# Altium PCB Ixora.PcbDoc (part 7 of 13) (continued)
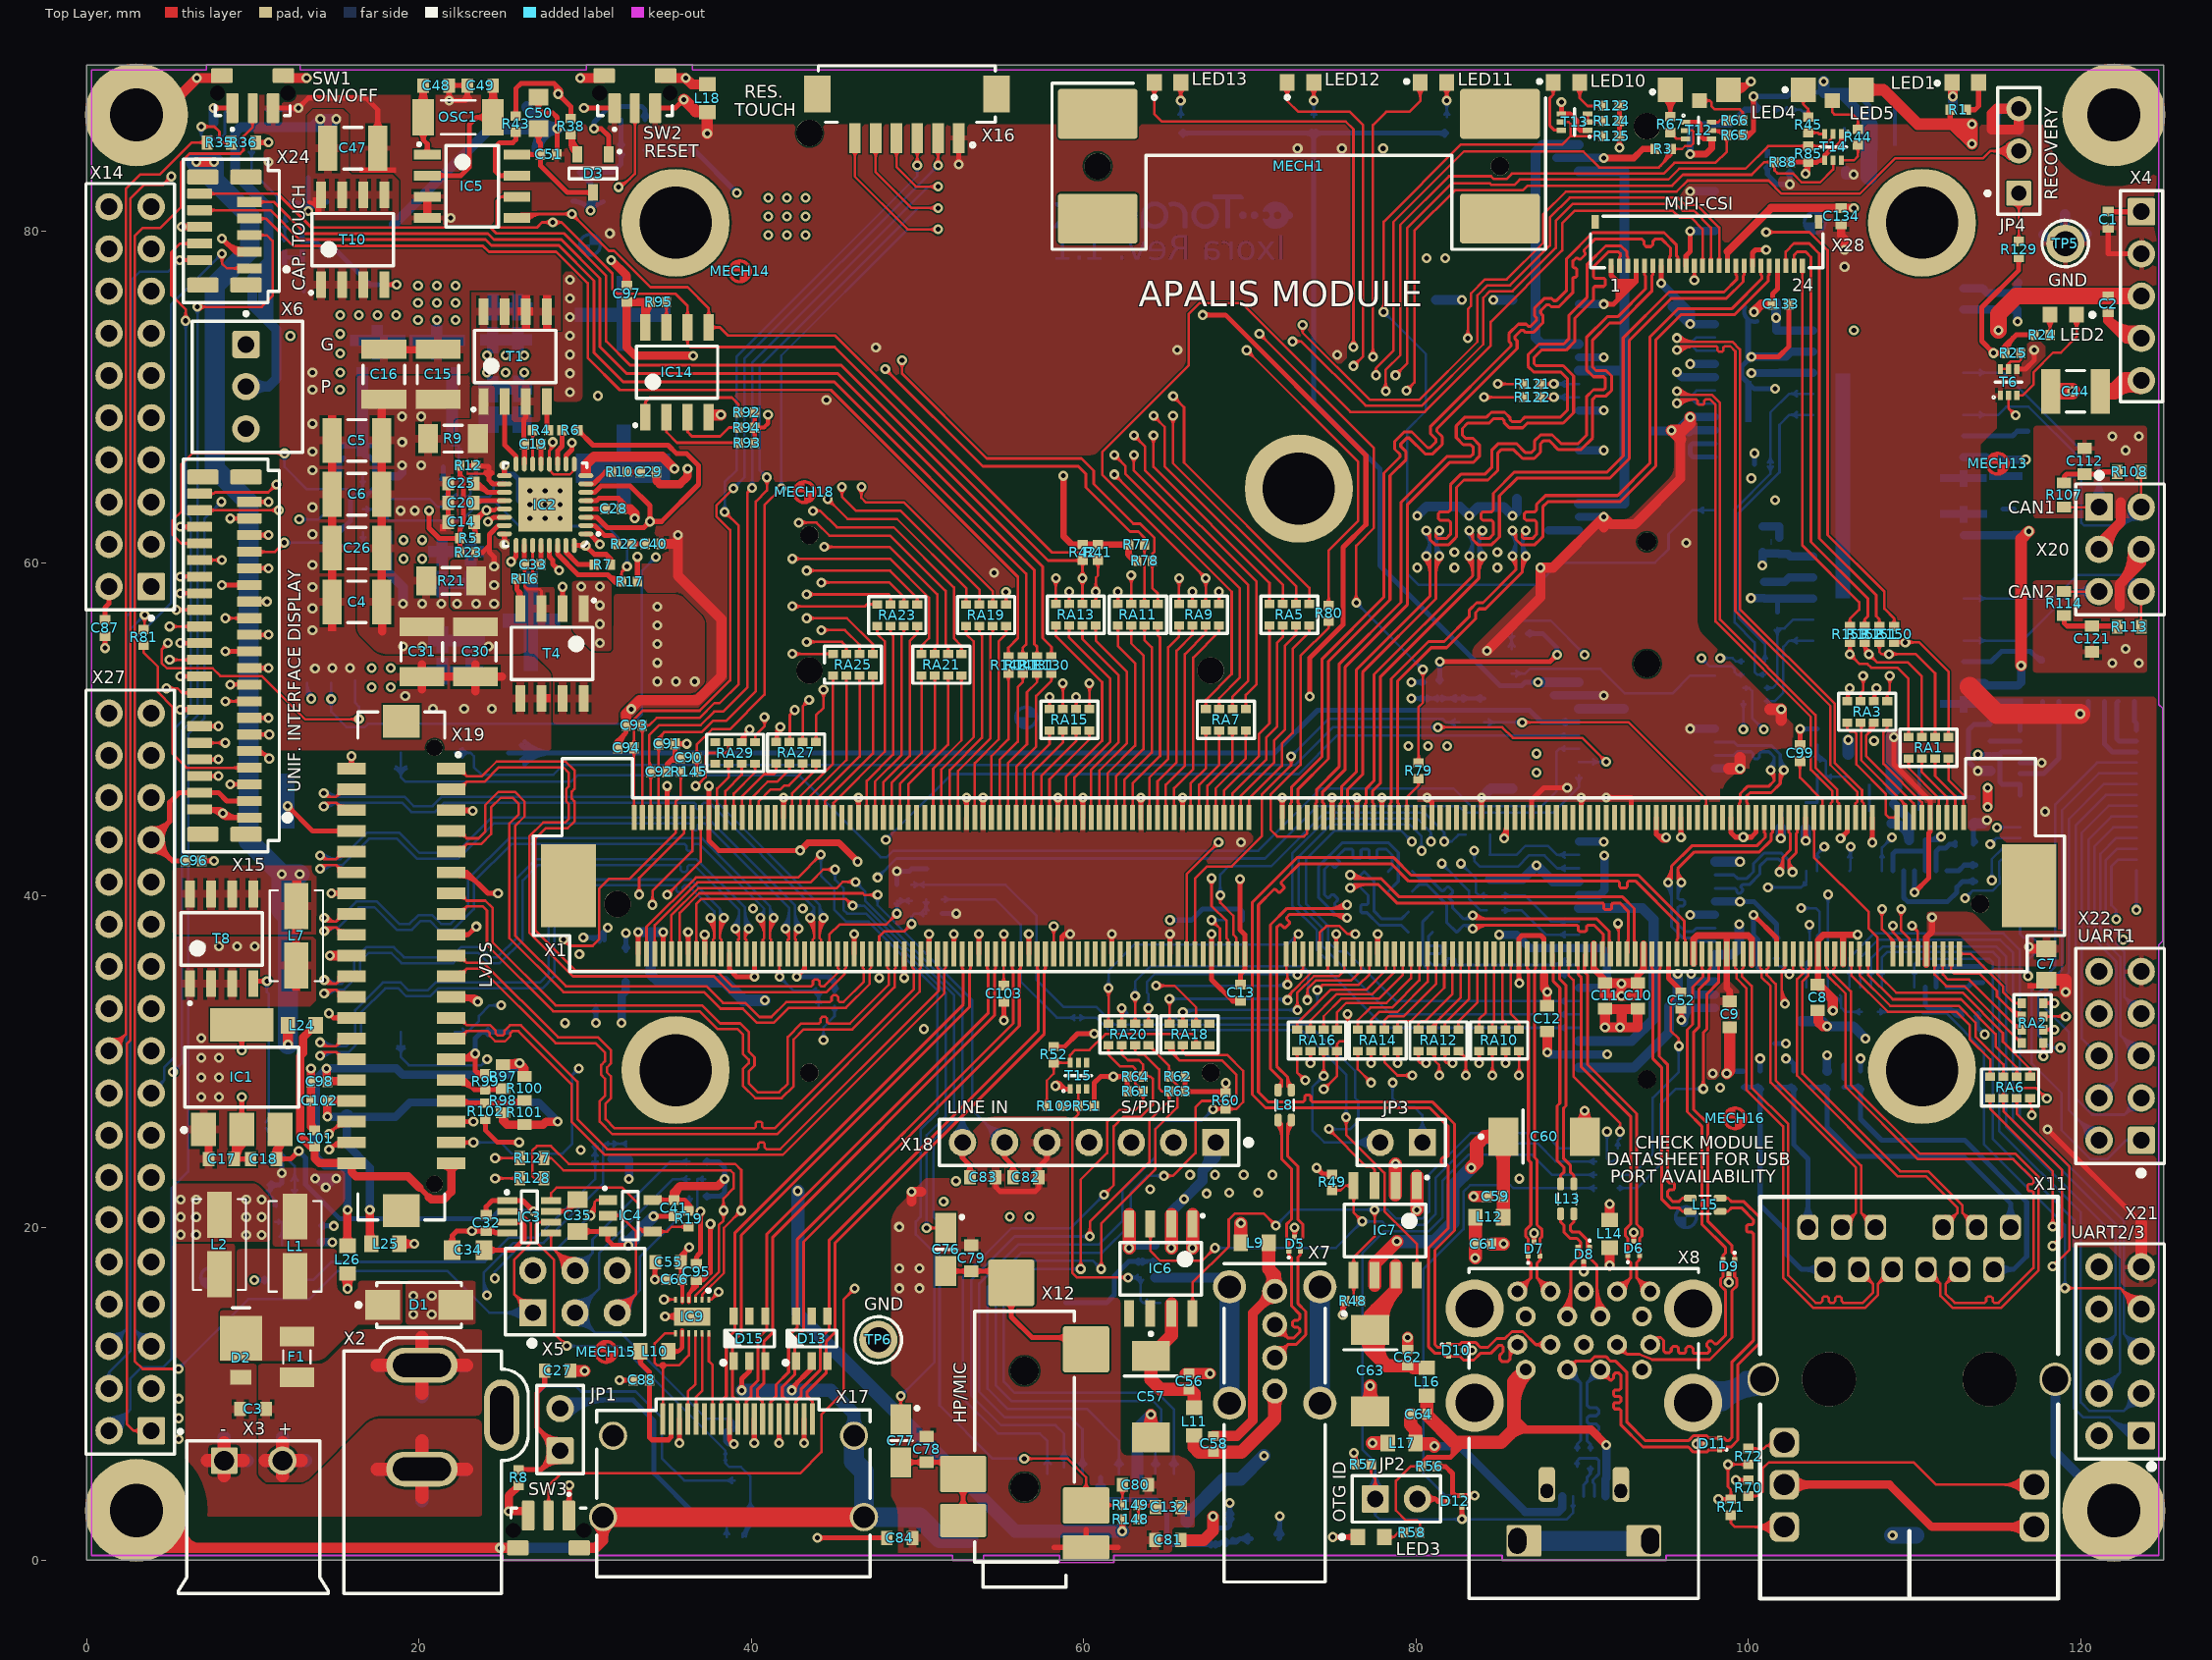
[diagram p0: Top Layer view]
## Nets (pads, with @x,y where several pads share a name; then routed paths per layer and width w, separated by ;. In a path a pad name is that pad's centre, name@x,y a point inside that pad or via, vN(x,y) a via of type N, cw(c..) or ccw(c..) an arc to the next point about the centre after c; other vN are vias at no path point) (continued)
LVDS1_B_CLK_N: X1.276 X19.4 | length 46.6
  Top Layer w0.15: v1(14.279,46.175) 14.504,45.95 ; v1@14.353,46.179 ccw(c14.597,46.194) 14.597,45.95 ; v1@14.376,45.972 cw(c14.424,45.87) 14.504,45.95 ; v1@14.482,46.078 ccw(c14.583,46.03) 14.504,45.95 ; v1@14.503,46.188 ccw(c14.756,46.203) 14.756,45.95 ; X19.4@15.176,46.379 cw(c14.631,46.336) 15.017,45.95 ; X19.4@15.447,46.125 ccw(c15.44,45.527) 15.017,45.95 ; X19.4@15.95,46.4 15.467,46.4 15.017,45.95 ; 44.125,37.589 cw(c45.436,37.589) v1@44.509,38.516 ; 44.125,37.951 cw(c45.074,37.951) v1@44.403,38.622 ; 44.125,38.313 cw(c44.712,38.313) v1@44.297,38.728 ; v1@44.147,38.578 cw(c44.045,38.53) 44.125,38.45 ; X1.276@44.2,36.5 44.2,37.361 44.125,37.436 44.125,38.45 ; v1@44.253,38.472 ccw(c44.205,38.37) 44.125,38.45 ; v1(44.35,38.675) 44.125,38.45 ; 14.504,45.95 15.017,45.95
  Bottom Layer w0.15: v1@14.226,46.122 ccw(c14.641,46.537) 14.641,45.95 ; v1(14.279,46.175) 14.504,45.95 19.125,45.95 19.682,45.393 20.831,45.393 21.388,45.95 36.57,45.95 37.615,45.95 44.125,39.44 ; v1@14.332,46.228 ccw(c15.003,46.899) 15.003,45.95 ; v1@14.438,46.334 ccw(c15.365,47.261) 15.365,45.95 ; 44.125,38.93 ccw(c44.492,38.93) v1@44.314,38.609 ; 44.125,39.185 ccw(c44.633,39.185) v1@44.386,38.741 ; v1(44.35,38.675) 44.125,38.9 44.125,39.44 ; v1@44.459,38.872 cw(c44.775,39.44) 44.125,39.44
LVDS1_B_CLK_P: X1.278 X19.6 | length 46.3
  Top Layer w0.15: v1(14.279,45.375) 14.504,45.6 ; v1@14.353,45.371 cw(c14.597,45.356) 14.597,45.6 ; v1@14.376,45.578 ccw(c14.424,45.68) 14.504,45.6 ; v1@14.482,45.472 cw(c14.583,45.52) 14.504,45.6 ; v1@14.503,45.362 cw(c14.756,45.347) 14.756,45.6 ; X19.6@15.176,45.171 ccw(c14.631,45.214) 15.017,45.6 ; X19.6@15.447,45.425 cw(c15.44,46.023) 15.017,45.6 ; X19.6@15.95,45.15 15.467,45.15 15.017,45.6 ; v1@43.391,38.516 cw(c42.464,37.589) 43.775,37.589 ; v1@43.497,38.622 cw(c42.826,37.951) 43.775,37.951 ; v1(43.55,38.675) 43.775,38.45 ; v1@43.603,38.728 cw(c43.188,38.313) 43.775,38.313 ; v1@43.647,38.472 cw(c43.695,38.37) 43.775,38.45 ; X1.278@43.7,36.5 43.7,37.361 43.775,37.436 43.775,38.45 ; v1@43.753,38.578 ccw(c43.855,38.53) 43.775,38.45 ; 14.504,45.6 15.017,45.6
  Bottom Layer w0.15: v1@14.226,45.428 cw(c14.641,45.013) 14.641,45.6 ; v1(14.279,45.375) 14.504,45.6 18.98,45.6 19.537,45.043 20.976,45.043 21.533,45.6 36.57,45.6 36.667,45.503 36.667,45.293 36.765,45.196 36.96,45.196 37.057,45.293 37.057,45.503 37.155,45.6 37.47,45.6 43.775,39.295 ; v1@14.332,45.322 cw(c15.003,44.651) 15.003,45.6 ; v1@14.438,45.216 cw(c15.365,44.289) 15.365,45.6 ; v1@43.48,38.889 ccw(c43.348,39.295) 43.775,39.295 ; v1@43.527,38.746 ccw(c43.415,39.088) 43.775,39.088 ; v1(43.55,38.675) 43.775,38.9 43.775,39.295 ; v1@43.573,38.604 ccw(c43.483,38.882) 43.775,38.882
LVDS1_B_TX0_N: X1.282 X19.10 | length 46.3
  Top Layer w0.15: v1(14.05,42.425) 14.275,42.2 ; v1@14.125,42.429 ccw(c14.368,42.444) 14.368,42.2 ; v1@14.147,42.222 cw(c14.195,42.12) 14.275,42.2 ; v1@14.253,42.328 ccw(c14.355,42.28) 14.275,42.2 ; v1@14.275,42.438 ccw(c14.527,42.453) 14.527,42.2 ; X19.10@15.176,42.629 cw(c14.631,42.586) 15.017,42.2 ; X19.10@15.447,42.375 ccw(c15.44,41.777) 15.017,42.2 ; X19.10@15.95,42.65 15.467,42.65 15.017,42.2 ; 42.625,37.394 cw(c43.06,37.394) v1@42.922,37.807 ; 42.625,37.603 cw(c42.99,37.603) v1@42.874,37.949 ; 42.625,37.811 cw(c42.92,37.811) v1@42.826,38.091 ; v1@42.647,37.923 cw(c42.545,37.875) 42.625,37.795 ; X1.282@42.7,36.5 42.7,37.361 42.625,37.436 42.625,37.795 ; v1@42.753,37.817 ccw(c42.705,37.715) 42.625,37.795 ; v1(42.85,38.02) 42.625,37.795 ; 14.275,42.2 15.017,42.2
  Bottom Layer w0.15: v1@13.997,42.372 ccw(c14.412,42.787) 14.412,42.2 ; v1(14.05,42.425) 14.275,42.2 15.276,42.2 16.857,43.781 18.83,43.781 20.032,42.579 22.234,42.579 24.355,44.7 36.305,44.7 37.35,44.7 42.625,39.425 42.625,38.245 v1(42.85,38.02) ; v1@14.103,42.478 ccw(c14.774,43.149) 14.774,42.2 ; v1@14.209,42.584 ccw(c15.136,43.511) 15.136,42.2 ; 42.625,38.382 ccw(c43.212,38.382) v1@42.797,37.967 ; 42.625,38.744 ccw(c43.574,38.744) v1@42.903,38.073 ; 42.625,39.106 ccw(c43.936,39.106) v1@43.009,38.179
LVDS1_B_TX0_P: X1.284 X19.12 | length 46.3
  Top Layer w0.15: v1(14.05,41.625) 14.275,41.85 ; v1@14.125,41.621 cw(c14.368,41.606) 14.368,41.85 ; v1@14.147,41.828 ccw(c14.195,41.93) 14.275,41.85 ; v1@14.253,41.722 cw(c14.355,41.77) 14.275,41.85 ; v1@14.275,41.612 cw(c14.527,41.597) 14.527,41.85 ; X19.12@15.176,41.421 ccw(c14.631,41.464) 15.017,41.85 ; X19.12@15.447,41.675 cw(c15.44,42.273) 15.017,41.85 ; X19.12@15.95,41.4 15.467,41.4 15.017,41.85 ; v1@41.978,37.807 cw(c41.84,37.394) 42.275,37.394 ; v1@42.026,37.949 cw(c41.91,37.603) 42.275,37.603 ; v1(42.05,38.02) 42.275,37.795 ; v1@42.074,38.091 cw(c41.98,37.811) 42.275,37.811 ; v1@42.147,37.817 cw(c42.195,37.715) 42.275,37.795 ; X1.284@42.2,36.5 42.2,37.361 42.275,37.436 42.275,37.795 ; v1@42.253,37.923 ccw(c42.355,37.875) 42.275,37.795 ; 14.275,41.85 15.017,41.85
  Bottom Layer w0.15: v1@13.997,41.678 cw(c14.412,41.263) 14.412,41.85 ; v1(14.05,41.625) 14.275,41.85 15.421,41.85 17.002,43.431 18.685,43.431 19.887,42.229 22.379,42.229 24.5,44.35 36.305,44.35 36.402,44.252 36.402,44.043 36.5,43.946 36.695,43.946 36.792,44.043 36.792,44.252 36.89,44.35 37.205,44.35 42.275,39.28 42.275,38.245 v1(42.05,38.02) ; v1@14.103,41.572 cw(c14.774,40.901) 14.774,41.85 ; v1@14.209,41.466 cw(c15.136,40.539) 15.136,41.85 ; v1@41.891,38.179 ccw(c40.964,39.106) 42.275,39.106 ; v1@41.997,38.073 ccw(c41.326,38.744) 42.275,38.744 ; v1@42.103,37.967 ccw(c41.688,38.382) 42.275,38.382
LVDS1_B_TX1_N: X1.288 X19.16 | length 46.5
  Top Layer w0.15: v1@14.236,38.643 ccw(c14.542,38.788) 14.542,38.45 ; v1(14.304,38.675) 14.529,38.45 ; v1@14.372,38.707 ccw(c14.78,38.902) 14.78,38.45 ; v1@14.401,38.472 cw(c14.449,38.37) 14.529,38.45 ; v1@14.507,38.578 ccw(c14.609,38.53) 14.529,38.45 ; v1@14.507,38.772 ccw(c15.017,39.015) 15.017,38.45 ; X19.16@15.176,38.879 cw(c14.631,38.836) 15.017,38.45 ; X19.16@15.447,38.625 ccw(c15.44,38.027) 15.017,38.45 ; X19.16@15.95,38.9 15.467,38.9 15.017,38.45 ; 41.125,37.589 cw(c42.436,37.589) v1@41.509,38.516 ; 41.125,37.951 cw(c42.074,37.951) v1@41.403,38.622 ; 41.125,38.313 cw(c41.712,38.313) v1@41.297,38.728 ; v1@41.147,38.578 cw(c41.045,38.53) 41.125,38.45 ; X1.288@41.2,36.5 41.2,37.361 41.125,37.436 41.125,38.45 ; v1@41.253,38.472 ccw(c41.205,38.37) 41.125,38.45 ; v1(41.35,38.675) 41.125,38.45 ; 14.529,38.45 15.017,38.45
  Bottom Layer w0.15: v1@14.237,38.642 ccw(c14.546,38.796) 14.546,38.45 ; v1(14.304,38.675) 14.529,38.45 15.031,38.45 ; v1@14.371,38.708 ccw(c14.789,38.917) 14.789,38.45 ; v1@14.505,38.775 ccw(c15.031,39.038) 15.031,38.45 ; 41.125,38.907 ccw(c41.454,38.907) v1@41.319,38.607 ; 41.125,39.138 ccw(c41.558,39.138) v1@41.381,38.743 ; v1(41.35,38.675) 41.125,38.9 41.125,39.37 ; v1@41.442,38.88 cw(c41.662,39.37) 41.125,39.37 ; 15.031,38.45 16.231,39.649 17.475,39.649 18.821,38.303 19.444,38.303 19.967,38.826 20.813,38.826 21.336,38.303 21.923,38.303 22.96,39.34 22.96,40.989 25.425,43.454 35.996,43.454 37.041,43.454 41.125,39.37
LVDS1_B_TX1_P: X1.290 X19.18 | length 46.2
  Top Layer w0.15: v1@14.236,37.907 cw(c14.542,37.762) 14.542,38.1 ; v1(14.304,37.875) 14.529,38.1 ; v1@14.372,37.843 cw(c14.78,37.648) 14.78,38.1 ; v1@14.401,38.078 ccw(c14.449,38.18) 14.529,38.1 ; v1@14.507,37.778 cw(c15.017,37.535) 15.017,38.1 ; v1@14.507,37.972 cw(c14.609,38.02) 14.529,38.1 ; X19.18@15.176,37.671 ccw(c14.631,37.714) 15.017,38.1 ; X19.18@15.447,37.925 cw(c15.44,38.523) 15.017,38.1 ; X19.18@15.95,37.65 15.467,37.65 15.017,38.1 ; v1@40.391,38.516 cw(c39.464,37.589) 40.775,37.589 ; v1@40.497,38.622 cw(c39.826,37.951) 40.775,37.951 ; v1(40.55,38.675) 40.775,38.45 ; v1@40.603,38.728 cw(c40.188,38.313) 40.775,38.313 ; v1@40.647,38.472 cw(c40.695,38.37) 40.775,38.45 ; X1.290@40.7,36.5 40.7,37.361 40.775,37.436 40.775,38.45 ; v1@40.753,38.578 ccw(c40.855,38.53) 40.775,38.45 ; 14.529,38.1 15.017,38.1
  Bottom Layer w0.15: v1@14.243,37.918 cw(c14.595,37.668) 14.595,38.1 ; v1(14.304,37.875) 14.529,38.1 15.176,38.1 ; v1@14.365,37.832 cw(c14.885,37.462) 14.885,38.1 ; v1@14.487,37.745 cw(c15.176,37.255) 15.176,38.1 ; v1@40.505,38.896 ccw(c40.439,39.225) 40.775,39.225 ; v1@40.535,38.749 ccw(c40.476,39.042) 40.775,39.042 ; v1(40.55,38.675) 40.775,38.9 40.775,39.225 ; 15.176,38.1 16.376,39.299 17.33,39.299 18.676,37.953 19.589,37.953 20.112,38.476 20.668,38.476 21.191,37.953 22.068,37.953 23.31,39.195 23.31,40.844 25.57,43.104 35.996,43.104 36.094,43.006 36.094,42.797 36.191,42.7 36.386,42.7 36.484,42.797 36.484,43.006 36.581,43.104 36.896,43.104 40.775,39.225
LVDS1_B_TX2_N: X1.294 X19.22 | length 47
  Top Layer w0.15: v1@14.236,34.893 ccw(c14.542,35.038) 14.542,34.7 ; v1(14.304,34.925) 14.529,34.7 ; v1@14.372,34.957 ccw(c14.78,35.152) 14.78,34.7 ; v1@14.401,34.722 cw(c14.449,34.62) 14.529,34.7 ; v1@14.507,34.828 ccw(c14.609,34.78) 14.529,34.7 ; v1@14.507,35.022 ccw(c15.017,35.265) 15.017,34.7 ; X19.22@15.176,35.129 cw(c14.631,35.086) 15.017,34.7 ; X19.22@15.447,34.875 ccw(c15.44,34.277) 15.017,34.7 ; X19.22@15.95,35.15 15.467,35.15 15.017,34.7 ; 39.625,37.394 cw(c40.06,37.394) v1@39.922,37.807 ; 39.625,37.603 cw(c39.99,37.603) v1@39.874,37.949 ; 39.625,37.811 cw(c39.92,37.811) v1@39.826,38.091 ; v1@39.647,37.923 cw(c39.545,37.875) 39.625,37.795 ; X1.294@39.7,36.5 39.7,37.361 39.625,37.436 39.625,37.795 ; v1@39.753,37.817 ccw(c39.705,37.715) 39.625,37.795 ; v1(39.85,38.02) 39.625,37.795 ; 14.529,34.7 15.017,34.7
  Bottom Layer w0.15: v1@14.25,34.873 ccw(c14.658,35.267) 14.658,34.7 ; v1(14.304,34.925) 14.529,34.7 15.365,34.7 ; v1@14.358,34.977 ccw(c15.011,35.609) 15.011,34.7 ; v1@14.466,35.081 ccw(c15.365,35.951) 15.365,34.7 ; 39.625,38.382 ccw(c40.212,38.382) v1@39.797,37.967 ; 39.625,38.744 ccw(c40.574,38.744) v1@39.903,38.073 ; 39.625,39.106 ccw(c40.936,39.106) v1@40.009,38.179 ; v1(39.85,38.02) 39.625,38.245 39.625,39.275 36.71,42.19 27.015,42.19 25.893,41.068 25.893,37.463 24.72,36.29 24.329,36.29 23.711,36.908 22.545,36.908 21.927,36.29 19.105,36.29 18.49,36.905 16.835,36.905 16.105,36.175 16.105,35.44 15.365,34.7
LVDS1_B_TX2_P: X1.296 X19.24 | length 47.1
  Top Layer w0.15: v1@14.236,34.157 cw(c14.542,34.012) 14.542,34.35 ; v1(14.304,34.125) 14.529,34.35 ; v1@14.372,34.093 cw(c14.78,33.898) 14.78,34.35 ; v1@14.401,34.328 ccw(c14.449,34.43) 14.529,34.35 ; v1@14.507,34.028 cw(c15.017,33.785) 15.017,34.35 ; v1@14.507,34.222 cw(c14.609,34.27) 14.529,34.35 ; X19.24@15.176,33.921 ccw(c14.631,33.964) 15.017,34.35 ; X19.24@15.447,34.175 cw(c15.44,34.773) 15.017,34.35 ; X19.24@15.95,33.9 15.467,33.9 15.017,34.35 ; v1@38.978,37.807 cw(c38.84,37.394) 39.275,37.394 ; v1@39.026,37.949 cw(c38.91,37.603) 39.275,37.603 ; v1(39.05,38.02) 39.275,37.795 ; v1@39.074,38.091 cw(c38.98,37.811) 39.275,37.811 ; v1@39.147,37.817 cw(c39.195,37.715) 39.275,37.795 ; X1.296@39.2,36.5 39.2,37.361 39.275,37.436 39.275,37.795 ; v1@39.253,37.923 ccw(c39.355,37.875) 39.275,37.795 ; 14.529,34.35 15.017,34.35
  Bottom Layer w0.15: v1@14.251,34.178 cw(c14.666,33.763) 14.666,34.35 ; v1(14.304,34.125) 14.529,34.35 15.51,34.35 16.455,35.295 16.455,36.03 16.98,36.555 18.345,36.555 18.96,35.94 22.071,35.94 22.69,36.558 23.566,36.558 24.184,35.94 24.865,35.94 26.243,37.318 26.243,40.923 27.16,41.84 35.665,41.84 35.763,41.742 35.763,41.533 35.86,41.436 36.055,41.436 36.153,41.533 36.153,41.742 36.25,41.84 36.565,41.84 39.275,39.13 39.275,38.245 v1(39.05,38.02) ; v1@14.357,34.072 cw(c15.028,33.401) 15.028,34.35 ; v1@14.463,33.966 cw(c15.39,33.039) 15.39,34.35 ; v1@38.891,38.179 ccw(c37.964,39.106) 39.275,39.106 ; v1@38.997,38.073 ccw(c38.326,38.744) 39.275,38.744 ; v1@39.103,37.967 ccw(c38.688,38.382) 39.275,38.382
LVDS1_B_TX3_N: X1.300 X19.28 | length 45.8
  Top Layer w0.15: v1(14.05,31.175) 14.275,30.95 ; v1@14.125,31.179 ccw(c14.368,31.194) 14.368,30.95 ; v1@14.147,30.972 cw(c14.195,30.87) 14.275,30.95 ; v1@14.253,31.078 ccw(c14.355,31.03) 14.275,30.95 ; v1@14.275,31.188 ccw(c14.527,31.203) 14.527,30.95 ; X19.28@15.176,31.379 cw(c14.631,31.336) 15.017,30.95 ; X19.28@15.447,31.125 ccw(c15.44,30.527) 15.017,30.95 ; X19.28@15.95,31.4 15.467,31.4 15.017,30.95 ; 38.125,37.589 cw(c39.436,37.589) v1@38.509,38.516 ; 38.125,37.951 cw(c39.074,37.951) v1@38.403,38.622 ; 38.125,38.313 cw(c38.712,38.313) v1@38.297,38.728 ; v1@38.147,38.578 cw(c38.045,38.53) 38.125,38.45 ; X1.300@38.2,36.5 38.2,37.361 38.125,37.436 38.125,38.45 ; v1@38.253,38.472 ccw(c38.205,38.37) 38.125,38.45 ; v1(38.35,38.675) 38.125,38.45 ; 14.275,30.95 15.017,30.95
  Bottom Layer w0.15: v1@13.997,31.122 ccw(c14.412,31.537) 14.412,30.95 ; v1(14.05,31.175) 14.275,30.95 15.645,30.95 16.17,31.475 16.17,33.112 17.828,34.77 18.916,34.77 19.386,34.3 20.533,34.3 21.003,34.77 27.29,34.77 27.807,35.287 27.807,39.907 28.87,40.97 35.391,40.97 36.36,40.97 38.125,39.205 ; v1@14.103,31.228 ccw(c14.774,31.899) 14.774,30.95 ; v1@14.209,31.334 ccw(c15.136,32.261) 15.136,30.95 ; 38.125,39.028 ccw(c38.408,39.028) v1@38.362,38.749 ; v1(38.35,38.675) 38.125,38.9 38.125,39.205 ; v1@38.387,38.897 cw(c38.437,39.205) 38.125,39.205
LVDS1_B_TX3_P: X1.302 X19.30 | length 44.9
  Top Layer w0.15: v1(14.05,30.375) 14.275,30.6 ; v1@14.125,30.371 cw(c14.368,30.356) 14.368,30.6 ; v1@14.147,30.578 ccw(c14.195,30.68) 14.275,30.6 ; v1@14.253,30.472 cw(c14.355,30.52) 14.275,30.6 ; v1@14.275,30.362 cw(c14.527,30.347) 14.527,30.6 ; X19.30@15.176,30.171 ccw(c14.631,30.214) 15.017,30.6 ; X19.30@15.447,30.425 cw(c15.44,31.023) 15.017,30.6 ; X19.30@15.95,30.15 15.467,30.15 15.017,30.6 ; v1@37.391,38.516 cw(c36.464,37.589) 37.775,37.589 ; v1@37.497,38.622 cw(c36.826,37.951) 37.775,37.951 ; v1(37.55,38.675) 37.775,38.45 ; v1@37.603,38.728 cw(c37.188,38.313) 37.775,38.313 ; v1@37.647,38.472 cw(c37.695,38.37) 37.775,38.45 ; X1.302@37.7,36.5 37.7,37.361 37.775,37.436 37.775,38.45 ; v1@37.753,38.578 ccw(c37.855,38.53) 37.775,38.45 ; 14.275,30.6 15.017,30.6
  Bottom Layer w0.15: v1@13.997,30.428 cw(c14.412,30.013) 14.412,30.6 ; v1(14.05,30.375) 14.275,30.6 15.79,30.6 16.52,31.33 16.52,32.967 17.973,34.42 18.771,34.42 19.241,33.95 20.678,33.95 21.148,34.42 27.435,34.42 28.157,35.142 28.157,39.762 29.015,40.62 35.391,40.62 35.488,40.522 35.488,40.313 35.586,40.216 35.781,40.216 35.878,40.313 35.878,40.522 35.976,40.62 36.215,40.62 37.775,39.06 37.775,38.9 v1(37.55,38.675) ; v1@14.103,30.322 cw(c14.774,29.651) 14.774,30.6 ; v1@14.209,30.216 cw(c15.136,29.289) 15.136,30.6
LVDS1_I2C2_SCL: R128.2 X19.38 | length 21.6
  Top Layer w0.15: v1@14.6,24.943 ccw(c14.6,25.486) 14.984,25.102 ccw(c15.368,24.718) v1@14.825,24.718 ; v1@14.768,24.887 cw(c15.204,24.451) X19.38@15.408,25.032 ; X19.38@15.359,24.891 ccw(c15.116,24.202) v1(14.6,24.718) 15.031,25.15 ; X19.38@15.95,25.15 15.031,25.15 ; v1(24.587,22.986) R128.2@26.072,22.986 ; v1@24.746,22.826 cw(c25.13,22.442) 25.13,22.986 cw(c25.13,23.529) v1@24.746,23.145 ; R128.2@25.895,22.809 ccw(c25.468,22.382) 25.468,22.986 ccw(c25.468,23.589) R128.2@25.895,23.162 ; 15.031,25.15 ccw(c15.031,25.331) 15.198,25.259 cw(c15.031,25.331) 15.031,25.15 ; 15.031,25.15 cw(c15.031,24.969) 15.198,25.041 ccw(c15.031,24.969) 15.031,25.15 ; 14.936,25.055 cw(c15.291,24.7) 15.458,25.174 ccw(c15.291,24.7) 14.936,25.055
  Mid-Layer 1 w0.15: v1(14.6,24.718) 20.694,24.718 22.427,22.986 v1(24.587,22.986) ; v1@14.759,24.559 cw(c15.143,24.175) 15.143,24.718 cw(c15.143,25.261) v1@14.759,24.877 ; v1@24.428,22.826 ccw(c24.044,22.442) 24.044,22.986 ccw(c24.044,23.529) v1@24.428,23.145
LVDS1_I2C2_SDA: R127.2 X19.36 | length 20.2
  Top Layer w0.15: v1(24.589,24.205) R127.2@26.072,24.205 ; v1@24.748,24.046 cw(c25.132,23.662) 25.132,24.205 cw(c25.132,24.748) v1@24.748,24.364 ; R127.2@25.895,24.028 ccw(c25.468,23.601) 25.468,24.205 ccw(c25.468,24.808) R127.2@25.895,24.382
  Top Layer w0.165: v1(14.58,25.654) 15.326,26.4 X19.36@15.95,26.4 ; v1@14.58,25.872 ccw(c14.58,26.397) 14.951,26.025 ccw(c15.322,25.654) v1@14.797,25.654 ; v1@14.781,25.855 cw(c15.45,25.186) X19.36@15.45,26.133 ; 15.063,26.137 cw(c15.45,25.75) 15.45,26.298 ccw(c15.45,25.75) 15.063,26.137 ; 15.081,26.156 ccw(c14.837,26.4) 15.182,26.4 cw(c14.837,26.4) 15.081,26.156
  Mid-Layer 1 w0.165: v1(14.58,25.654) 21.082,25.654 22.531,24.205 v1(24.589,24.205) ; v1@14.733,25.5 cw(c15.105,25.129) 15.105,25.654 cw(c15.105,26.179) v1@14.733,25.808 ; v1@24.435,24.051 ccw(c24.064,23.68) 24.064,24.205 ccw(c24.064,24.73) v1@24.435,24.359
LVDS1_SEL_1: R97.2 R98.2 R99.2 X19.31 | length 6.3
  Top Layer w0.3: X19.31@21.95,28.9 22.77,28.9 23.35,28.32 R99.2@24,28.32 R97.2@25.15,28.32 ; X19.31@22.45,28.7 cw(c22.45,27.444) 23.338,28.332 ; X19.31@22.45,29 cw(c22.45,28.469) 22.826,28.844 ; R99.2@23.879,28.225 ccw(c23.649,27.994) 23.649,28.32 ccw(c23.649,28.646) R99.2@23.879,28.416 ; R99.2@24.12,28.225 cw(c24.351,27.994) 24.351,28.32 cw(c24.351,28.646) R99.2@24.12,28.416 ; 24.395,28.32 ccw(c24.395,28.93) R97.2@24.826,28.499
LVDS1_SEL_2: R100.2 R101.2 R102.2 X19.33 | length 6.5
  Top Layer w0.3: X19.33@21.977,27.527 R100.2@26.377,27.527 ; X19.33@22.591,27.791 ccw(c23.23,28.43) 23.23,27.527 ; 23.594,27.527 cw(c23.594,27.124) R102.2@23.879,27.409 ; R102.2@24.12,27.409 cw(c24.406,27.124) 24.406,27.527 ; 25.47,27.527 ccw(c25.47,28.455) R100.2@26.126,27.799
LVDS1_V_SUPPLY_SW_UNREG: C101.2 L24.2 X19.39 X19.40 | length 22.8
  Top Layer w0.254: X19.39@21.26,23.698 cw(c21.313,23.061) 21.95,23.114 cw(c22.557,23.091) X19.39@22.581,23.698
  Top Layer w0.32: 20.041,22.428 20.612,21.857
  Top Layer w0.5: 13.3,25.105 ccw(c13.691,25.496) C101.2@13.691,24.943 ; L24.2@13.794,32.194 13.754,32.194 13.027,31.467 13.027,30.527 12.86,30.36 12.86,25.545 13.502,24.903 C101.2@13.731,24.903 13.731,24.191 14.022,23.9 X19.40@15.95,23.9 15.95,23.369 16.204,23.115 19.354,23.115 20.041,22.428 ; 20.612,21.857 20.752,21.717 21.488,21.717 21.95,22.179 X19.39@21.95,23.9
MMC1_CD#: R52.1 R109.1 RA18.6 T15.6 | length 16.5
  Top Layer w0.15: R109.1@57.639,27.508 ccw(c57.281,27.867) 57.788,27.867 ccw(c58.295,27.867) R109.1@57.936,27.508 ; R109.1@57.788,27.335 57.788,28.874 58.2,29.286 R52.1@58.2,29.949 T15.6@59.183,29.949 59.183,30.405 59.487,30.709 60.347,30.709 61.312,31.674 66.574,31.674 66.77,31.478 RA18.6@66.77,31.002 ; R52.1@58.051,29.8 cw(c57.693,29.442) 58.2,29.442 cw(c58.707,29.442) R52.1@58.348,29.8 ; R52.1@58.373,29.8 cw(c58.732,29.442) 58.732,29.949 cw(c58.732,30.456) R52.1@58.373,30.097 ; T15.6@59.13,29.896 ccw(c59.002,29.768) 59.002,29.949 ccw(c59.002,30.13) T15.6@59.13,30.002 ; T15.6@59.13,30.137 ccw(c59.002,30.265) 59.183,30.265 ccw(c59.364,30.265) T15.6@59.236,30.137 ; RA18.6@66.646,31.126 ccw(c66.347,31.424) 66.77,31.424 ccw(c67.192,31.424) RA18.6@66.894,31.126
MMC1_CLK: RA18.8 X10.5 | length 52.2
  Top Layer w0.15: v1(64.835,23.139) 65.357,23.139 ; v1@64.999,22.985 cw(c65.357,22.649) 65.357,23.139 ; v1@64.999,23.294 ccw(c65.357,23.63) 65.357,23.139 ; RA18.8@65.079,30.853 cw(c64.979,30.69) 65.17,30.69 ; RA18.8@65.095,31.002 ccw(c65.668,31.002) 65.263,30.597 ; RA18.8@65.17,31.002 65.17,30.69 ; RA18.8@65.245,31.002 ccw(c66.18,31.002) 65.519,30.341 ; RA18.8@65.261,30.853 ccw(c65.361,30.69) 65.17,30.69 ; RA18.8@65.395,31.002 ccw(c66.692,31.002) 65.775,30.085 ; 65.17,30.69 65.785,30.075 68.347,30.075 69.2,29.222 69.2,27.853 68.995,27.648 67.119,27.648 66.726,27.254 66.726,24.509 65.357,23.139
  Bottom Layer w0.15: X10.5@61.9,5.78 ccw(c61.345,6.335) 62.13,6.335 ccw(c62.915,6.335) X10.5@62.36,5.78 ; X10.5@62.006,5.674 ccw(c61.708,5.972) 62.13,5.972 ccw(c62.552,5.972) X10.5@62.254,5.674 ; X10.5@62.13,5.2 62.13,7.187 60.213,9.104 55.449,9.104 54.214,10.338 54.214,16.459 56.27,18.515 61.111,18.515 62.84,20.244 62.84,22.149 63.83,23.139 v1(64.835,23.139) ; v1@64.676,22.98 ccw(c64.292,22.596) 64.292,23.139 ccw(c64.292,23.683) v1@64.676,23.298
MMC1_CMD: R60.1 RA18.7 X10.3 | length 51.9
  Top Layer w0.15: RA18.7@65.851,30.874 cw(c65.598,30.601) 65.97,30.601 ; RA18.7@65.97,31.002 65.97,30.601 ; RA18.7@66.089,30.874 ccw(c66.342,30.601) 65.97,30.601 ; v1(67.793,27.148) 69.169,27.148 69.596,27.575 69.596,29.464 68.639,30.421 66.15,30.421 65.97,30.601 ; v1@67.952,26.989 cw(c68.336,26.605) 68.336,27.148 cw(c68.336,27.691) v1@67.952,27.307 ; v1@67.961,27.148 ccw(c67.961,27.742) R60.1@68.381,27.322 ; v1@67.973,27.282 ccw(c68.134,27.4) 68.185,27.208 ccw(c68.261,26.923) v1@67.995,27.05 ; v1@67.987,27.26 ccw(c68.235,27.403) 68.161,27.127 ; v1@67.994,27.047 cw(c68.129,26.979) 68.168,27.125 ; v1@68.084,27.148 cw(c68.084,26.728) R60.1@68.381,27.025 ; R60.1@68.728,27.025 cw(c69.025,26.728) 69.025,27.148 ; R60.1@68.728,27.322 ccw(c69.148,27.742) 69.148,27.148
  Bottom Layer w0.15: X10.3@59.7,5.78 ccw(c59.145,6.335) 59.93,6.335 ccw(c60.715,6.335) X10.3@60.16,5.78 ; X10.3@59.806,5.674 ccw(c59.508,5.972) 59.93,5.972 ccw(c60.352,5.972) X10.3@60.054,5.674 ; X10.3@59.93,5.2 59.93,7.888 59.204,8.614 55.246,8.614 53.724,10.135 53.724,16.662 56.068,19.005 60.908,19.005 62.35,20.447 62.35,22.294 64.313,24.257 64.313,25.959 64.795,26.441 67.086,26.441 v1(67.793,27.148) ; v1@67.568,27.148 cw(c67.024,27.148) 67.408,26.764 cw(c67.793,26.38) v1@67.793,26.923
MMC1_D0: R62.1 RA20.5 X10.7 | length 49.5
  Top Layer w0.15: v1@60.903,17.694 ccw(c60.518,18.078) 61.062,18.078 ccw(c61.605,18.078) v1@61.221,17.694 ; v1(61.062,17.535) 61.062,20.269 64.327,23.535 64.327,25.948 65.639,27.26 65.639,28.602 65.154,29.087 R62.1@65.154,29.108 65.154,29.748 RA20.5@63.902,31 ; RA20.5@63.952,30.825 cw(c63.952,30.523) 64.165,30.737 ; RA20.5@64.127,31 ccw(c64.67,31) 64.286,30.616 ; R62.1@65.005,29.282 ccw(c64.647,29.64) 65.154,29.64 ccw(c65.661,29.64) R62.1@65.302,29.282 ; R62.1@65.154,28.873 cw(c65.154,28.357) 65.519,28.722 ; R62.1@65.364,29.083 ccw(c65.861,29.083) 65.509,28.732
  Bottom Layer w0.15: v1@60.837,17.535 ccw(c60.293,17.535) 60.677,17.919 ccw(c61.062,18.303) v1@61.062,17.76 ; v1(61.062,17.535) 60.572,18.025 56.473,18.025 54.704,16.256 54.704,10.541 55.652,9.594 64.168,9.594 64.668,9.093 64.668,8.382 64.33,8.044 X10.7@64.33,5.2 ; X10.7@64.1,5.78 ccw(c63.545,6.335) 64.33,6.335 ccw(c65.115,6.335) X10.7@64.56,5.78 ; X10.7@64.206,5.674 ccw(c63.908,5.972) 64.33,5.972 ccw(c64.752,5.972) X10.7@64.454,5.674
MMC1_D1: R61.1 RA20.8 X10.8 | length 48.1
  Top Layer w0.15: v1@59.667,17.694 ccw(c59.283,18.078) 59.826,18.078 ccw(c60.37,18.078) v1@59.985,17.694 ; v1(59.826,17.535) 59.826,22.92 61.413,24.507 61.413,26.367 62.148,27.102 63.119,27.102 63.577,27.56 R61.1@63.577,28.219 63.097,28.699 63.097,29.588 62.967,29.718 62.205,29.718 61.502,30.421 RA20.8@61.502,31 ; RA20.8@61.378,30.876 cw(c61.079,30.577) 61.502,30.577 cw(c61.924,30.577) RA20.8@61.625,30.876 ; 63.176,28.621 ccw(c63.577,29.022) R61.1@63.577,28.454 ; 63.236,28.56 cw(c62.92,28.244) R61.1@63.367,28.244 ; R61.1@63.428,28.046 cw(c63.07,27.687) 63.577,27.687 cw(c64.084,27.687) R61.1@63.725,28.046
  Bottom Layer w0.15: v1@59.667,17.376 ccw(c59.283,16.992) 59.283,17.535 ccw(c59.283,18.078) v1@59.667,17.694 ; v1(59.826,17.535) 56.676,17.535 55.194,16.053 55.194,10.744 55.855,10.084 64.44,10.084 65.43,9.094 X10.8@65.43,5.2 ; X10.8@65.2,5.78 ccw(c64.645,6.335) 65.43,6.335 ccw(c66.215,6.335) X10.8@65.66,5.78 ; X10.8@65.306,5.674 ccw(c65.008,5.972) 65.43,5.972 ccw(c65.852,5.972) X10.8@65.554,5.674
MMC1_D2: R64.1 RA20.7 X10.1 | length 42.9
  Top Layer w0.15: v1(61.227,21.996) 61.812,22.581 61.812,26.111 62.396,26.695 63.449,26.695 64.16,27.407 64.16,28.981 64.033,29.108 ; v1@61.227,22.221 ccw(c61.227,22.765) 61.611,22.38 ccw(c61.996,21.996) v1@61.452,21.996 ; RA20.7@62.178,30.876 cw(c61.879,30.577) 62.302,30.577 cw(c62.724,30.577) RA20.7@62.425,30.876 ; RA20.7@62.302,31 62.302,30.459 62.662,30.099 63.322,30.099 63.577,29.844 R64.1@63.577,29.108 64.033,29.108 ; R64.1@63.428,29.282 ccw(c63.07,29.64) 63.577,29.64 ccw(c64.084,29.64) R64.1@63.725,29.282 ; R64.1@63.736,28.972 cw(c64.033,28.717) 64.033,29.108 ; R64.1@63.736,29.245 ccw(c64.033,29.5) 64.033,29.108
  Bottom Layer w0.15: X10.1@57.641,5.814 ccw(c57.377,6.183) 57.83,6.183 ccw(c58.283,6.183) X10.1@58.019,5.814 ; X10.1@57.83,5.2 57.83,7.169 57.365,7.634 54.84,7.634 52.744,9.729 52.744,17.068 55.662,19.985 59.216,19.985 v1(61.227,21.996) v1@61.233,22.002 ; v1@61.002,21.996 cw(c60.459,21.996) 60.843,21.612 cw(c61.227,21.228) v1@61.227,21.771
MMC1_D3: R63.1 RA20.6 X10.2 | length 44.1
  Top Layer w0.15: v1@60.217,19.654 ccw(c59.833,20.038) 60.376,20.038 ccw(c60.919,20.038) v1@60.535,19.654 ; v1(60.376,19.495) 60.376,20.371 63.953,23.948 63.953,26.463 65.154,27.663 R63.1@65.154,28.219 64.725,28.219 ; RA20.6@62.989,30.866 cw(c62.786,30.624) 63.102,30.624 ; RA20.6@63.102,31 63.102,30.624 ; RA20.6@63.214,30.866 ccw(c63.417,30.624) 63.102,30.624 ; R63.1@64.988,28.091 ccw(c64.725,27.887) 64.725,28.219 ; R63.1@64.988,28.348 cw(c64.725,28.551) 64.725,28.219 ; R63.1@65.005,28.046 cw(c64.647,27.687) 65.154,27.687 cw(c65.661,27.687) R63.1@65.302,28.046 ; 63.102,30.624 63.276,30.45 63.63,30.45 64.541,29.539 64.541,28.403 64.725,28.219
  Bottom Layer w0.15: X10.2@58.6,6.18 ccw(c58.045,6.735) 58.83,6.735 ccw(c59.615,6.735) X10.2@59.06,6.18 ; X10.2@58.706,6.074 ccw(c58.408,6.372) 58.83,6.372 ccw(c59.252,6.372) X10.2@58.954,6.074 ; X10.2@58.83,5.6 58.83,7.606 58.312,8.124 55.043,8.124 53.234,9.932 53.234,16.865 55.865,19.495 v1(60.376,19.495) ; v1@60.217,19.336 ccw(c59.833,18.952) 59.833,19.495 ccw(c59.833,20.038) v1@60.217,19.654
MMC_CD1: R51.1 R104.2 R109.2 T15.2 X10.CD1 | length 27.2
  Top Layer w0.15: R109.2@58.748,27.335 R51.1@59.683,27.335 ; R109.2@58.896,27.187 cw(c59.255,26.828) 59.255,27.335 cw(c59.255,27.842) R109.2@58.896,27.483 ; R51.1@59.534,27.187 ccw(c59.176,26.828) 59.176,27.335 ccw(c59.176,27.842) R51.1@59.534,27.483 ; R51.1@59.534,27.508 ccw(c59.176,27.867) 59.683,27.867 ccw(c60.19,27.867) R51.1@59.831,27.508 ; R51.1@59.546,27.151 cw(c59.291,26.853) 59.683,26.853 ; T15.2@59.63,28.181 cw(c59.502,28.053) 59.683,28.053 cw(c59.864,28.053) T15.2@59.736,28.181 ; T15.2@59.683,28.369 R51.1@59.683,27.335 ; R51.1@59.82,27.151 ccw(c60.075,26.853) 59.683,26.853 ; v1@62.528,16.861 ccw(c62.144,16.477) 62.144,17.02 ccw(c62.144,17.563) v1@62.528,17.179 ; v1(62.687,17.02) 59.612,17.02 59.313,17.319 59.313,26.483 59.683,26.853 ; 59.683,26.853 R51.1@59.683,27.335
  Bottom Layer w0.15: v1(62.687,17.02) R104.2@63.424,17.02 63.424,15.646 63.57,15.5 ; v1@62.846,16.861 cw(c63.23,16.477) 63.23,17.02 cw(c63.23,17.563) v1@62.846,17.179 ; v1@62.88,16.904 cw(c63.016,16.823) 63.057,16.976 cw(c63.123,17.222) v1@62.891,17.115 ; v1@62.88,17.136 ccw(c63.016,17.217) 63.057,17.064 ccw(c63.123,16.818) v1@62.891,16.925 ; R104.2@63.25,16.872 ccw(c62.892,16.513) 62.892,17.02 ccw(c62.892,17.527) R104.2@63.25,17.168 ; R104.2@63.275,16.872 cw(c62.917,16.513) 63.424,16.513 cw(c63.931,16.513) R104.2@63.572,16.872 ; X10.CD1@63.823,15.314 ccw(c63.57,15.235) 63.57,15.5 ; X10.CD1@63.823,15.686 cw(c63.57,15.765) 63.57,15.5 ; X10.CD1@64.62,15.5 63.57,15.5
MMC_CD2: R104.1 R110.2 R117.1 X10.CD2 | length 9.1
  Bottom Layer w0.3: X10.CD2@58.92,15.5 61.373,15.5 61.849,15.976 61.849,17.12 62.709,17.98 R104.1@63.424,17.98 R117.1@64.304,17.98 ; R104.1@63.544,17.885 cw(c63.775,17.654) 63.775,17.98 cw(c63.775,18.306) R104.1@63.544,18.075 ; R117.1@64.184,17.885 ccw(c63.953,17.654) 63.953,17.98 ccw(c63.953,18.306) R117.1@64.184,18.075 ; 63.073,17.98 ccw(c63.073,18.306) 63.303,18.075 cw(c63.073,18.306) 63.073,17.98 ; 63.073,17.98 cw(c63.073,17.654) 63.303,17.885 ccw(c63.073,17.654) 63.073,17.98
MSATA1_FB: IC16.7 R132.1 R133.2 | length 5.1
  Bottom Layer w0.15: R133.2@101.496,87.301 R132.1@102.5,87.301 103.149,87.301 IC16.7@103.415,87.035 ; R133.2@101.644,87.153 cw(c102.003,86.794) 102.003,87.301 cw(c102.003,87.808) R133.2@101.644,87.45 ; R132.1@102.327,87.153 ccw(c101.968,86.794) 101.968,87.301 ccw(c101.968,87.808) R132.1@102.327,87.45 ; R132.1@102.673,87.153 cw(c103.032,86.794) 103.032,87.301 cw(c103.032,87.808) R132.1@102.673,87.45 ; 103.2,87.25 ccw(c103.391,87.441) IC16.7@103.546,87.219 ; 103.327,87.123 ccw(c103.495,87.292) IC16.7@103.632,87.097
MXM3_1_M: RA1.4 X1.1 | length 4.9
  Top Layer w0.15: RA1.4@111.915,48.132 cw(c111.617,47.833) 112.039,47.833 cw(c112.462,47.833) RA1.4@112.163,48.132 ; RA1.4@112.039,48.255 112.039,46.965 112.95,46.054 X1.1@112.95,44.7 ; X1.1@112.897,45.404 ccw(c112.769,45.532) 112.95,45.532 ccw(c113.131,45.532) X1.1@113.003,45.404